# KiCad board ULK.kicad_pcb
title: ULK_pg1316s; date: 2025-09-11; rev: 1.0.0; company: GOGA_OO
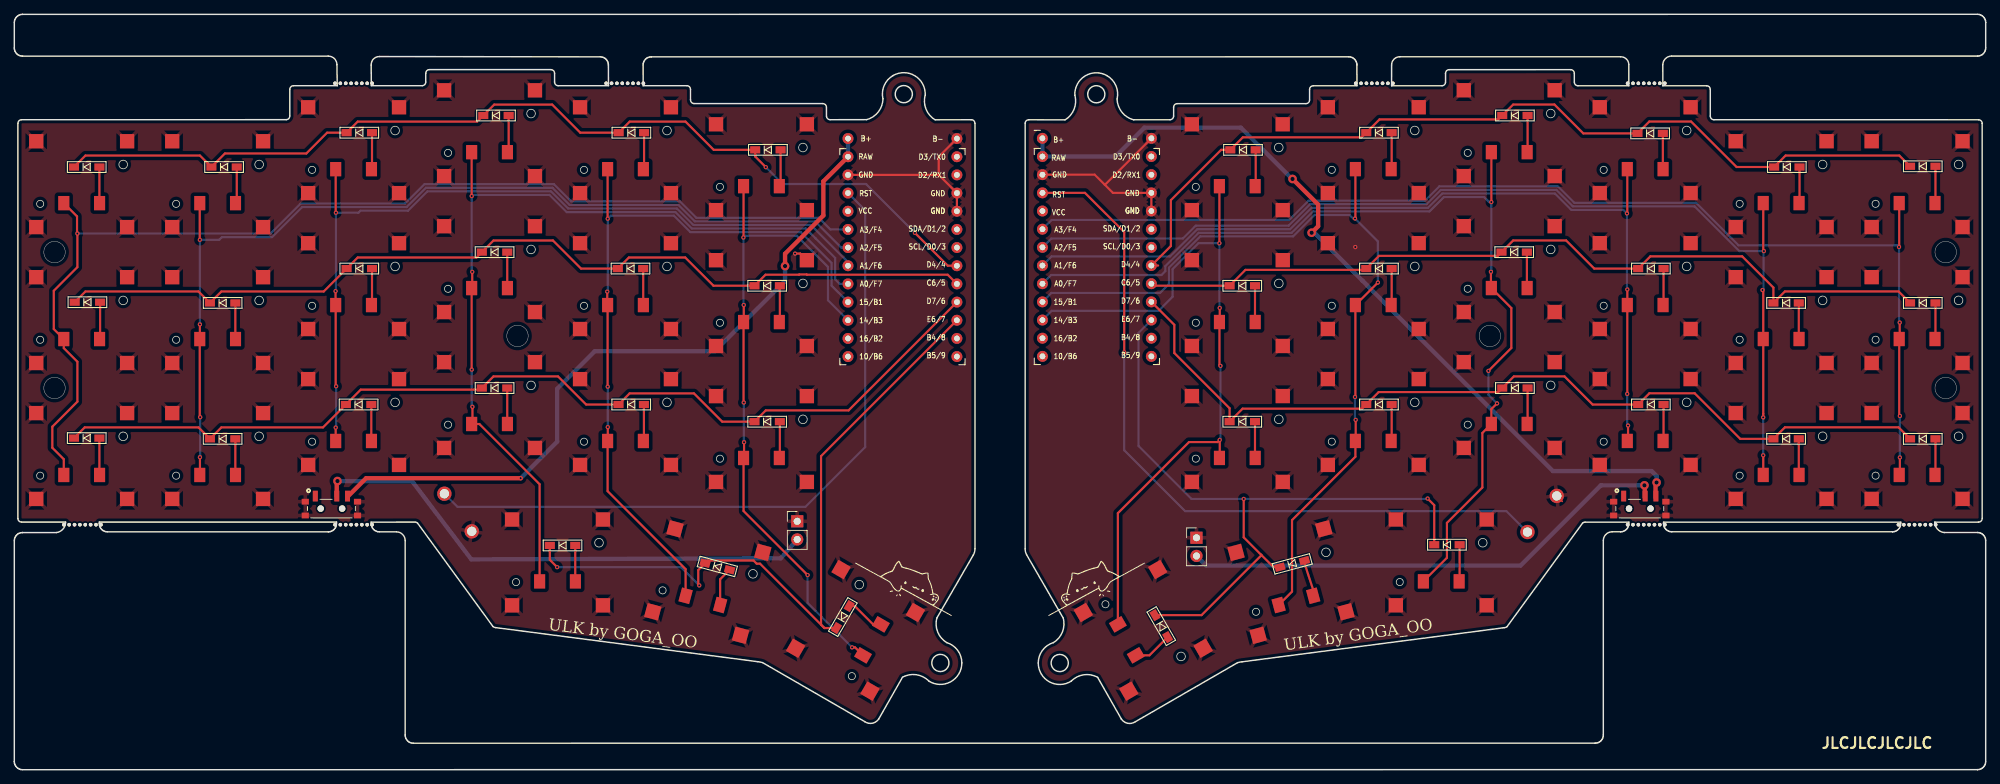
[diagram p0: board, top side]
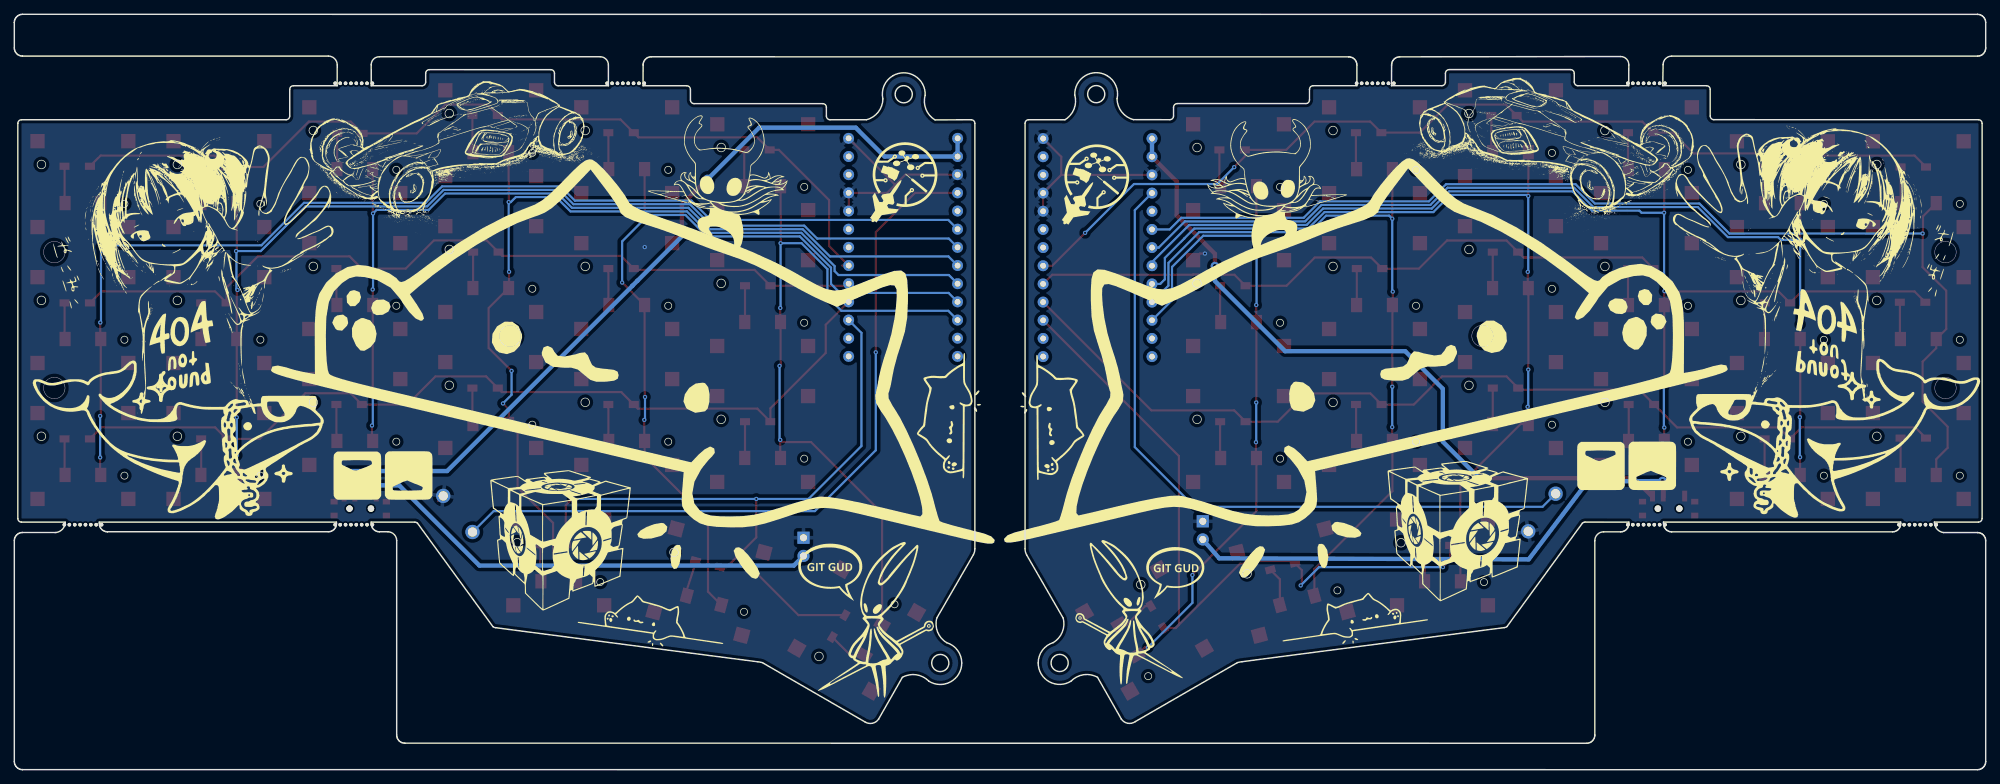
[diagram p1: board, bottom side, seen from below]

Outline 275.51 x 105.6 mm; copper layers: Top, Bottom. Coordinates in mm from the lower left corner of the outline.
Outline path: circle c5.62,72.35 r1.5 ; circle c5.62,53.35 r1.5 ; circle c70.32,60.63 r1.5 ; circle c124.31,94.44 r1.2 ; circle c129.42,14.92 r1.2 ; circle c146.1,14.91 r1.2 ; circle c151.21,94.42 r1.2 ; circle c206.22,60.63 r1.5 ; circle c269.92,72.35 r1.5 ; circle c269.92,53.35 r1.5 ; 1,34.62 arc(0.65,34.76) 0.5,35.12 0.5,90.36 arc(0.65,90.72) 1,90.86 38,90.87 arc(38.36,91.01) 38.5,91.37 38.5,95.12 ; 1,34.61 7.17,34.61 ; 7.17,34.6 arc(6.8,33.64) 5.89,33.15 1.13,33.15 0.91,33.13 0.7,33.06 0.5,32.95 0.33,32.81 0.19,32.64 0.09,32.45 0.02,32.23 0,32.01 0,1.13 0.02,0.91 0.09,0.7 0.19,0.5 0.34,0.33 0.51,0.19 0.7,0.09 0.92,0.02 1.14,0 274.37,0.01 274.38,0.01 274.6,0.03 274.81,0.1 275.01,0.2 275.18,0.34 275.32,0.52 275.42,0.71 275.49,0.93 275.51,1.15 275.51,32.03 275.48,32.25 275.42,32.46 275.31,32.66 275.17,32.83 275,32.97 274.8,33.07 274.59,33.14 274.37,33.16 269.7,33.16 arc(268.77,33.63) 268.39,34.6 ; 38.5,95.11 arc(38.65,95.47) 39,95.61 45.13,95.61 45.08,98.55 arc(44.73,99.4) 43.89,99.75 1.14,99.75 0.92,99.77 0.7,99.84 0.51,99.94 0.34,100.08 0.19,100.25 0.09,100.45 0.02,100.66 0,100.88 0,104.45 0.02,104.67 0.09,104.88 0.19,105.08 0.33,105.25 0.5,105.39 0.7,105.5 0.91,105.56 1.13,105.59 1.14,105.59 274.37,105.6 274.59,105.57 274.8,105.51 275,105.41 275.17,105.27 275.31,105.09 275.42,104.9 275.48,104.69 275.51,104.46 275.51,100.9 275.49,100.68 275.42,100.46 275.32,100.27 275.18,100.1 275.01,99.95 274.81,99.85 274.6,99.78 274.38,99.76 231.62,99.76 arc(230.74,99.39) 230.38,98.53 ; 51.02,99.69 arc(50.19,99.35) 49.88,98.51 49.89,95.62 57,95.62 arc(57.35,95.76) 57.5,96.12 57.5,97.36 ; 55.76,3.7 55.54,3.72 55.33,3.79 55.13,3.89 54.96,4.03 54.82,4.2 54.71,4.4 54.65,4.61 54.62,4.83 54.62,32.02 arc(54.26,32.89) 53.39,33.25 51.01,33.25 50.79,33.27 50.58,33.34 50.38,33.44 50.21,33.58 50.07,33.75 49.96,33.95 49.9,34.16 49.88,34.38 49.88,34.39 49.87,34.61 56,34.61 ; 55.77,3.7 220.93,3.71 220.94,3.71 221.16,3.73 221.37,3.8 221.57,3.9 221.74,4.05 221.88,4.22 221.98,4.41 222.05,4.63 222.07,4.85 222.07,32.02 arc(222.42,32.88) 223.31,33.26 224.5,33.26 224.72,33.28 224.94,33.35 225.13,33.45 225.3,33.59 225.44,33.77 225.55,33.96 225.61,34.18 225.63,34.4 225.64,34.61 219.52,34.61 ; 56.36,34.47 66.9,20.01 ; 57.5,97.37 arc(57.65,97.72) 58,97.87 75,97.87 arc(75.36,97.72) 75.5,97.37 75.5,96.12 arc(75.65,95.76) 76,95.62 ; 67.25,19.86 103.92,15.09 ; 76,95.61 83.04,95.61 83.03,98.51 83.03,98.52 83,98.74 82.94,98.95 82.83,99.15 82.69,99.32 82.52,99.46 82.32,99.56 82.11,99.63 81.89,99.65 51.01,99.69 ; 186.49,99.65 89.01,99.65 89.01,99.65 88.78,99.63 88.57,99.56 88.38,99.46 88.21,99.31 88.06,99.14 87.96,98.95 87.9,98.73 87.88,98.51 87.88,95.62 94,95.62 arc(94.35,95.47) 94.5,95.12 94.5,93.62 arc(94.65,93.26) 95,93.12 ; 104.58,14.96 118.87,6.7 ; 113,93.12 arc(113.35,92.97) 113.5,92.62 113.5,91.36 arc(113.65,91.01) 114,90.86 119.1,90.87 arc(120.74,91.94) 121.39,93.79 arc(121.57,95.65) 122.81,97.04 arc(125.87,97) 127.31,94.3 arc(127.41,92.34) 128.69,90.85 133.75,90.86 ; 113,93.12 95,93.12 ; 120.8,7.08 124.12,12.92 arc(126.05,13.28) 127.8,12.39 arc(130.86,12.29) 132.42,14.92 arc(131.84,16.69) 130.32,17.76 arc(129.04,19.25) 128.94,21.21 134.03,30.02 ; 133.75,90.87 arc(134.11,90.72) 134.25,90.37 134.25,30.89 ; 141.27,90.36 arc(141.41,90.71) 141.77,90.86 146.83,90.83 arc(148.11,92.33) 148.21,94.28 arc(149.65,96.98) 152.71,97.02 arc(153.95,95.63) 154.12,93.78 arc(154.78,91.93) 156.42,90.85 ; 141.27,90.36 141.27,30.88 ; 141.49,30.01 146.58,21.21 arc(146.48,19.25) 145.2,17.76 arc(143.68,16.68) 143.1,14.91 arc(144.66,12.28) 147.72,12.38 arc(149.47,13.27) 151.4,12.91 154.72,7.08 ; 156.42,90.85 161.52,90.86 arc(161.87,91) 162.02,91.36 162.02,92.61 ; 162.02,92.61 arc(162.16,92.96) 162.52,93.11 180.52,93.11 ; 170.94,14.96 156.65,6.7 ; 181.02,93.61 181.02,95.11 ; 181.52,95.61 187.64,95.61 187.63,98.52 187.63,98.53 187.61,98.75 187.54,98.96 187.44,99.16 187.3,99.33 187.12,99.47 186.93,99.57 186.72,99.64 186.49,99.66 ; 192.48,95.61 192.48,98.52 arc(192.82,99.32) 193.62,99.66 224.49,99.66 arc(225.29,99.35) 225.63,98.55 225.63,95.61 218.52,95.61 arc(218.16,95.75) 218.02,96.11 ; 192.48,95.61 199.52,95.61 arc(199.87,95.75) 200.02,96.11 200.02,97.36 arc(200.16,97.71) 200.52,97.86 217.52,97.86 arc(217.87,97.71) 218.02,97.36 218.02,96.1 ; 208.27,19.86 171.6,15.09 ; 219.16,34.46 208.62,20 ; 230.38,98.52 230.39,95.61 236.52,95.61 ; 236.52,95.61 arc(236.87,95.46) 237.02,95.11 237.02,91.36 ; 237.52,90.86 274.52,90.86 ; 237.52,90.85 arc(237.17,91) 237.02,91.35 ; 274.52,34.61 268.39,34.61 ; 275.02,90.36 275.02,35.11 ; 11.87,34.39 11.87,34.38 11.9,34.16 11.96,33.95 12.07,33.75 12.21,33.58 12.38,33.44 12.58,33.34 12.79,33.27 13.01,33.25 43.89,33.25 44.12,33.27 44.33,33.34 44.52,33.44 44.69,33.59 44.83,33.76 44.94,33.95 45,34.17 45.02,34.39 45.03,34.61 11.88,34.61 11.87,34.39 ; 230.48,34.4 230.48,34.39 230.51,34.17 230.57,33.96 230.68,33.76 230.82,33.59 230.99,33.45 231.19,33.34 231.4,33.28 231.62,33.26 262.5,33.26 262.72,33.28 262.94,33.35 263.13,33.45 263.3,33.59 263.44,33.77 263.55,33.96 263.61,34.18 263.63,34.4 263.64,34.61 230.49,34.61 230.48,34.4
Stack: Top 0.035mm / dielectric 1.51mm FR4 er 4.5 / Bottom 0.035mm

## Placement (name value [footprint] x y rotation side)
D1  D  [D3_SMD_v2]  10.11 84.25 0 top
D2  D  [D3_SMD_v2]  29.31 84.25 0 top
D3  D  [D3_SMD_v2]  48.21 89.05 0 top
D4  D  [D3_SMD_v2]  67.31 91.45 0 top
D5  D  [D3_SMD_v2]  86.23 89.05 0 top
D6  D  [D3_SMD_v2]  105.31 86.65 0 top
D7  D  [D3_SMD_v2]  10.21 65.35 0 top
D8  D  [D3_SMD_v2]  29.11 65.25 0 top
D9  D  [D3_SMD_v2]  48.21 70.05 0 top
D10  D  [D3_SMD_v2]  67.11 72.35 0 top
D11  D  [D3_SMD_v2]  86.11 70.05 0 top
D12  D  [D3_SMD_v2]  105.21 67.65 0 top
D13  D  [D3_SMD_v2]  10.11 46.35 0 top
D14  D  [D3_SMD_v2]  29.11 46.25 0 top
D15  D  [D3_SMD_v2]  48.11 51.05 0 top
D16  D  [D3_SMD_v2]  67.11 53.35 0 top
D17  D  [D3_SMD_v2]  86.21 51.05 0 top
D18  D  [D3_SMD_v2]  105.21 48.65 0 top
D19  D  [D3_SMD_v2]  76.61 31.35 0 top
D20  D  [D3_SMD_v2]  98.25 28.41 345 top
D21  D  [D3_SMD_v2]  115.78 21.34 60 top
D22  D  [D3_SMD_v2]  266.71 84.35 0 top
D23  D  [D3_SMD_v2]  247.71 84.25 0 top
D24  D  [D3_SMD_v2]  228.61 88.95 0 top
D25  D  [D3_SMD_v2]  209.71 91.45 0 top
D26  D  [D3_SMD_v2]  190.71 89.05 0 top
D27  D  [D3_SMD_v2]  171.71 86.65 0 top
D28  D  [D3_SMD_v2]  266.71 65.25 0 top
D29  D  [D3_SMD_v2]  247.61 65.25 0 top
D30  D  [D3_SMD_v2]  228.71 70.05 0 top
D31  D  [D3_SMD_v2]  209.61 72.35 0 top
D32  D  [D3_SMD_v2]  190.71 70.05 0 top
D33  D  [D3_SMD_v2]  171.61 67.65 0 top
D34  D  [D3_SMD_v2]  266.71 46.25 0 top
D35  D  [D3_SMD_v2]  247.61 46.25 0 top
D36  D  [D3_SMD_v2]  228.71 51.05 0 top
D37  D  [D3_SMD_v2]  209.71 53.35 0 top
D38  D  [D3_SMD_v2]  190.71 51.05 0 top
D39  D  [D3_SMD_v2]  171.61 48.65 0 top
D40  D  [D3_SMD_v2]  200.21 31.45 0 top
D41  D  [D3_SMD_v2]  178.58 28.77 15 top
D42  D  [D3_SMD_v2]  160.29 20.07 300 top
G***  LOGO  [15mm bongo1_1]  125.21 26.3 318 top
G***#2  LOGO  [15mm bongo1]  150.3 26.3 42 top
G***#3  LOGO  [404]  250.36 69.55 180 bottom
G***#4  LOGO  [404_1]  23.68 71.2 180 bottom
G***#5  LOGO  [b17_1]  130.21 48.7 283 bottom
G***#6  LOGO  [100b]  189.1 58.06 180 bottom
G***#7  LOGO  [cube31]  73.41 33.45 180 bottom
G***#8  LOGO  [cube31]  198.81 32.15 180 bottom
G***#9  LOGO  [logog]  150.82 82.01 180 bottom
G***#10  LOGO  [logog]  124.02 81.71 180 bottom
G***#11  LOGO  [20mm bongo1_1]  87.95 21.4 185 bottom
G***#12  LOGO  [b17]  145.11 48.95 77 bottom
G***#13  LOGO  [w41]  21.26 46.05 180 bottom
G***#14  LOGO  [20mm bongo1]  186.76 21.05 175 bottom
G***#15  LOGO  [tm54_1]  59.81 86.3 180 bottom
G***#16  LOGO  [block18]  223.96 41.1 180 bottom
G***#17  LOGO  [tm54]  212.78 85.84 180 bottom
G***#18  LOGO  [h33]  99.26 81.9 180 bottom
G***#19  LOGO  [23g]  119.05 22.57 180 bottom
G***#20  LOGO  [g23m]  156.36 20.9 180 bottom
G***#21  LOGO  [100b_1]  86.58 58.21 180 bottom
G***#22  LOGO  [h33_1]  177.47 82.42 180 bottom
G***#23  LOGO  [block18]  50.16 42.45 180 bottom
G***#24  LOGO  [w41_1]  253.11 45.8 180 bottom
mouse-bite-2mm-slot  VAL**  [mouse-bite-2mm-slot]  9.21 34.25 0 top
mouse-bite-2mm-slot#2  VAL**  [mouse-bite-2mm-slot]  265.61 34.25 0 top
mouse-bite-2mm-slot#3  VAL**  [mouse-bite-2mm-slot]  47.11 34.25 0 top
mouse-bite-2mm-slot#4  VAL**  [mouse-bite-2mm-slot]  227.76 34.25 0 top
mouse-bite-2mm-slot#5  VAL**  [mouse-bite-2mm-slot]  189.76 95.95 0 top
mouse-bite-2mm-slot#6  VAL**  [mouse-bite-2mm-slot]  227.76 95.95 0 top
mouse-bite-2mm-slot#7  VAL**  [mouse-bite-2mm-slot]  85.01 95.95 0 top
mouse-bite-2mm-slot#8  VAL**  [mouse-bite-2mm-slot]  47.11 95.95 0 top
RSW1  SW_PUS  [ResetSW_1side]  62.01 35.95 126 top
RSW2  SW_PUS  [ResetSW_1side]  213.51 35.75 231 top
SW1  SW_PUSH  [CPG1316S01D02_kailhspecsheet_mikefive]  9.41 81.85 0 top
SW2  SW_PUSH  [CPG1316S01D02_kailhspecsheet_mikefive]  28.41 81.85 0 top
SW3  SW_PUSH  [CPG1316S01D02_kailhspecsheet_mikefive]  47.41 86.6 0 top
SW4  SW_PUSH  [CPG1316S01D02_kailhspecsheet_mikefive]  66.41 88.97 0 top
SW5  SW_PUSH  [CPG1316S01D02_kailhspecsheet_mikefive]  85.41 86.6 0 top
SW6  SW_PUSH  [CPG1316S01D02_kailhspecsheet_mikefive]  104.41 84.22 0 top
SW7  SW_PUSH  [CPG1316S01D02_kailhspecsheet_mikefive]  9.41 62.85 0 top
SW8  SW_PUSH  [CPG1316S01D02_kailhspecsheet_mikefive]  28.41 62.85 0 top
SW9  SW_PUSH  [CPG1316S01D02_kailhspecsheet_mikefive]  47.41 67.6 0 top
SW10  SW_PUSH  [CPG1316S01D02_kailhspecsheet_mikefive]  66.41 69.97 0 top
SW11  SW_PUSH  [CPG1316S01D02_kailhspecsheet_mikefive]  85.41 67.6 0 top
SW12  SW_PUSH  [CPG1316S01D02_kailhspecsheet_mikefive]  104.41 65.22 0 top
SW13  SW_PUSH  [CPG1316S01D02_kailhspecsheet_mikefive]  9.41 43.85 0 top
SW14  SW_PUSH  [CPG1316S01D02_kailhspecsheet_mikefive]  28.41 43.85 0 top
SW15  SW_PUSH  [CPG1316S01D02_kailhspecsheet_mikefive]  47.41 48.6 0 top
SW16  SW_PUSH  [CPG1316S01D02_kailhspecsheet_mikefive]  66.41 50.97 0 top
SW17  SW_PUSH  [CPG1316S01D02_kailhspecsheet_mikefive]  85.41 48.6 0 top
SW18  SW_PUSH  [CPG1316S01D02_kailhspecsheet_mikefive]  104.41 46.22 0 top
SW19  SW_PUSH  [CPG1316S01D02_kailhspecsheet_mikefive]  75.91 28.97 0 top
SW20  SW_PUSH  [CPG1316S01D02_kailhspecsheet_mikefive]  96.91 26.22 345 top
SW21  SW_PUSH  [CPG1316S01D02_kailhspecsheet_mikefive]  117.56 19.47 60 top
SW22  SW_PUSH  [CPG1316S01D02_kailhspecsheet_mikefive]  265.92 81.85 0 top
SW23  SW_PUSH  [CPG1316S01D02_kailhspecsheet_mikefive]  246.92 81.85 0 top
SW24  SW_PUSH  [CPG1316S01D02_kailhspecsheet_mikefive]  227.92 86.6 0 top
SW25  SW_PUSH  [CPG1316S01D02_kailhspecsheet_mikefive]  208.92 88.98 0 top
SW26  SW_PUSH  [CPG1316S01D02_kailhspecsheet_mikefive]  189.92 86.6 0 top
SW27  SW_PUSH  [CPG1316S01D02_kailhspecsheet_mikefive]  170.91 84.22 0 top
SW28  SW_PUSH  [CPG1316S01D02_kailhspecsheet_mikefive]  265.92 62.85 0 top
SW29  SW_PUSH  [CPG1316S01D02_kailhspecsheet_mikefive]  246.92 62.85 0 top
SW30  SW_PUSH  [CPG1316S01D02_kailhspecsheet_mikefive]  227.92 67.6 0 top
SW31  SW_PUSH  [CPG1316S01D02_kailhspecsheet_mikefive]  208.92 69.98 0 top
SW32  SW_PUSH  [CPG1316S01D02_kailhspecsheet_mikefive]  189.92 67.6 0 top
SW33  SW_PUSH  [CPG1316S01D02_kailhspecsheet_mikefive]  170.92 65.23 0 top
SW34  SW_PUSH  [CPG1316S01D02_kailhspecsheet_mikefive]  265.92 43.85 0 top
SW35  SW_PUSH  [CPG1316S01D02_kailhspecsheet_mikefive]  246.92 43.85 0 top
SW36  SW_PUSH  [CPG1316S01D02_kailhspecsheet_mikefive]  227.92 48.6 0 top
SW37  SW_PUSH  [CPG1316S01D02_kailhspecsheet_mikefive]  208.92 50.98 0 top
SW38  SW_PUSH  [CPG1316S01D02_kailhspecsheet_mikefive]  189.92 48.6 0 top
SW39  SW_PUSH  [CPG1316S01D02_kailhspecsheet_mikefive]  170.92 46.23 0 top
SW40  SW_PUSH  [CPG1316S01D02_kailhspecsheet_mikefive]  199.42 28.98 0 top
SW41  SW_PUSH  [CPG1316S01D02_kailhspecsheet_mikefive]  178.42 26.23 15 top
SW42  SW_PUSH  [CPG1316S01D02_kailhspecsheet_mikefive]  157.77 19.48 300 top
SW43  PCM12SMTR  [SW_PCM12SMTR]  44.31 36.5 0 top
SW44  PCM12SMTR  [SW_PCM12SMTR]  227.16 36.5 0 top
U1  ProMicro  [ProMicro_v3]  124.12 71.21 0 top
U2  ProMicro  [ProMicro_v3]  151.29 71.24 0 top
U3  ~  [PinHeader_1x02_P2.54mm_Vertical]  109.41 34.72 0 top
U5  ~  [PinHeader_1x02_P2.54mm_Vertical]  165.21 32.42 0 top

## Library data of the parts
D1-D42 = -: ki_fp_filters: TO-???* *_Diode_* *SingleDiode* D_*
SW43 SW44 = -: MF: C&K; Description_1: Switch,Slide,Ultra-Mini,SPDT,ON-ON,300mA,6VDC,Surface Mount,R/A,Gull Wing | C&K PCM12SMTR; Package: None; Price: None; Check_prices: https://www.snapeda.com/parts/PCM12SMTR/C%2526K/view-part/?ref=eda; STANDARD: Manufacturer Recommendation; SnapEDA_Link: https://www.snapeda.com/parts/PCM12SMTR/C%2526K/view-part/?ref=snap; Availability: In Stock; MANUFACTURER: C&K

## Footprints (pads in the part's own frame, mm; a bottom-side part is the same pattern mirrored in y, then rotated)
CPG1316S01D02_kailhspecsheet_mikefive
  rect 1.55x2 smd: 1(-2.5,-2.65) 2(2.5,-2.65)
  rect 2x2 smd: 3(-6.35,6) 3(-6.35,-6) 3(6.35,6) 3(6.35,-6)
D3_SMD_v2
  rect 1.4x1 smd: 1(-1.775,0) 2(1.775,0)
mouse-bite-2mm-slot
  round 0.5 hole 0.5 unplated: (-2.3,0) (-1.55,0) (-0.8,0) (-0.05,0) (0.7,0) (1.45,0) (2.2,0) (2.9,0)
PinHeader_1x02_P2.54mm_Vertical
  rect 1.7x1.7 hole 1: 1(0,0)
  round 1.7 hole 1: 2(0,-2.54)
ProMicro_v3
  round 1.524 hole 0.813: 1(7.611,14.478) 2(7.611,11.938) 3(7.611,17.018) 3(7.611,9.398) 4(7.611,6.858) 5(7.611,4.318) 6(7.611,1.778) 7(7.611,-0.762) 8(7.611,-3.302) 9(7.611,-5.842) 10(7.611,-8.382) 11(7.611,-10.922) 12(7.611,-13.462) 13(-7.609,-13.462) 14(-7.609,-10.922) 15(-7.609,-8.382) 16(-7.609,-5.842) 17(-7.609,-3.302) 18(-7.609,-0.762) 19(-7.609,1.778) 20(-7.609,4.318) 21(-7.609,6.858) 22(-7.609,9.398) 23(-7.609,11.938) 24(-7.609,17.018) 24(-7.609,14.478)
ResetSW_1side
  round 2 hole 1.3: 1(3.25,0) 2(-3.25,0)
SW_PCM12SMTR
  round 0.9 hole 0.9 unplated: (-1.5,0) (1.5,0)
  rect 0.7x1.5 smd: 1(-2.25,1.75) 2(0.75,1.75) 3(2.25,1.75)
  rect 1x0.8 smd: S1(-3.65,0.965) S2(-3.65,-0.965) S3(3.65,-0.965) S4(3.65,0.965)

## Nets
1V5: SW44.3 U2.24
+1V5: SW43.3 U1.24
GND: RSW1.2 SW1.3 SW2.3 SW3.3 SW4.3 SW5.3 SW6.3 SW7.3 SW8.3 SW9.3 SW10.3 SW11.3 SW12.3 SW13.3 SW14.3 SW15.3 SW16.3 SW17.3 SW18.3 SW19.3 SW20.3 SW21.3 SW43.S1 SW43.S2 SW43.S3 SW43.S4 U1.3 U1.4 U1.23 U3.1
GNDA: RSW2.2 SW22.3 SW23.3 SW24.3 SW25.3 SW26.3 SW27.3 SW28.3 SW29.3 SW30.3 SW31.3 SW32.3 SW33.3 SW34.3 SW35.3 SW36.3 SW37.3 SW38.3 SW39.3 SW40.3 SW41.3 SW42.3 SW44.S1 SW44.S2 SW44.S3 SW44.S4 U2.3 U2.4 U2.23 U5.1
VCC: U1.21
VDD: U2.21
col0: SW1.1 SW7.1 SW13.1 U1.20
col0_r: SW22.1 SW28.1 SW34.1 U2.20
col1: SW2.1 SW8.1 SW14.1 U1.19
col1_r: SW23.1 SW29.1 SW35.1 U2.19
col2: SW3.1 SW9.1 SW15.1 U1.18
col2_r: SW24.1 SW30.1 SW36.1 U2.18
col3: SW4.1 SW10.1 SW16.1 SW19.1 U1.17
col3_r: SW25.1 SW31.1 SW37.1 SW40.1 U2.17
col4: SW5.1 SW11.1 SW17.1 SW20.1 U1.16
col4_r: SW26.1 SW32.1 SW38.1 SW41.1 U2.16
col5: SW6.1 SW12.1 SW18.1 SW21.1 U1.15
col5_r: SW27.1 SW33.1 SW39.1 SW42.1 U2.15
reset: RSW1.1 U1.22
reset_r: RSW2.1 U2.22
row0: D1.1 D2.1 D3.1 D4.1 D5.1 D6.1 U1.7
row0_r: D22.1 D23.1 D24.1 D25.1 D26.1 D27.1 U2.7
row1: D7.1 D8.1 D9.1 D10.1 D11.1 D12.1 U1.8
row1_r: D28.1 D29.1 D30.1 D31.1 D32.1 D33.1 U2.8
row2: D13.1 D14.1 D15.1 D16.1 D17.1 D18.1 U1.9
row2_r: D34.1 D35.1 D36.1 D37.1 D38.1 D39.1 U2.9
row3: D19.1 D20.1 D21.1 U1.10
row3_r: D40.1 D41.1 D42.1 U2.10
SCL: U1.6
SCL_r: U2.6
SDA: U1.5
SDA_r: U2.5
Net-(D1-A): D1.2 SW1.2
Net-(D2-A): D2.2 SW2.2
Net-(D3-A): D3.2 SW3.2
Net-(D4-A): D4.2 SW4.2
Net-(D5-A): D5.2 SW5.2
Net-(D6-A): D6.2 SW6.2
Net-(D7-A): D7.2 SW7.2
Net-(D8-A): D8.2 SW8.2
Net-(D9-A): D9.2 SW9.2
Net-(D10-A): D10.2 SW10.2
Net-(D11-A): D11.2 SW11.2
Net-(D12-A): D12.2 SW12.2
Net-(D13-A): D13.2 SW13.2
Net-(D14-A): D14.2 SW14.2
Net-(D15-A): D15.2 SW15.2
Net-(D16-A): D16.2 SW16.2
Net-(D17-A): D17.2 SW17.2
Net-(D18-A): D18.2 SW18.2
Net-(D19-A): D19.2 SW19.2
Net-(D20-A): D20.2 SW20.2
Net-(D21-A): D21.2 SW21.2
Net-(D22-A): D22.2 SW22.2
Net-(D23-A): D23.2 SW23.2
Net-(D24-A): D24.2 SW24.2
Net-(D25-A): D25.2 SW25.2
Net-(D26-A): D26.2 SW26.2
Net-(D27-A): D27.2 SW27.2
Net-(D28-A): D28.2 SW28.2
Net-(D29-A): D29.2 SW29.2
Net-(D30-A): D30.2 SW30.2
Net-(D31-A): D31.2 SW31.2
Net-(D32-A): D32.2 SW32.2
Net-(D33-A): D33.2 SW33.2
Net-(D34-A): D34.2 SW34.2
Net-(D35-A): D35.2 SW35.2
Net-(D36-A): D36.2 SW36.2
Net-(D37-A): D37.2 SW37.2
Net-(D38-A): D38.2 SW38.2
Net-(D39-A): D39.2 SW39.2
Net-(D40-A): D40.2 SW40.2
Net-(D41-A): D41.2 SW41.2
Net-(D42-A): D42.2 SW42.2
Net-(U3-+): SW43.2 U3.2
Net-(U5-+): SW44.2 U5.2

Pads without a net: SW43 1; SW44 1; U1 1 2 11 12 13 14; U2 1 2 11 12 13 14

## Via types
v1: diameter 0.6, hole 0.3, Top to Bottom, 57 vias
v2: diameter 1.2, hole 0.6, Top to Bottom, 6 vias

## Routing (per net, layer and track width the routed paths; a pad name or vN(x,y) marks a point on that pad's centre or on a via; arc(x,y) is an arc through that point)
1V5: length 116.9
  Top w0.6: 229.36,38.05 229.36,40 v2(229.51,40.15) ; v2(178.64,82.58) 182.21,79 182.21,75.97 v2(181.3,75.06)
  Bottom w0.3: 143.69,88.25 U2.24
  Bottom w0.6: 143.69,88.25 U2.24 153.88,85.72 157.91,89.75 171.41,89.75 178.59,82.58 v2(178.64,82.58) ; v2(181.3,75.06) 181.7,75.06 188.41,68.35 188.42,68.35 189.12,67.66 189.12,67.65 215.01,41.75 228.81,41.75 229.51,41.05 v2(229.51,40.15)
+1V5: length 101.5
  Top w0.6: v2(107.71,70.4) 107.71,72.12 113.06,77.47 113.06,82.24 U1.24 ; v1(70.76,40.75) 49.16,40.75 46.56,38.15
  Bottom w0.6: v2(107.71,70.4) 107.71,68.32 97.9,58.5 81.11,58.5 75.86,53.25 75.86,45.85 v1(70.76,40.75) ; U1.24 U1.24
GND: length 27
  Top w0.3: 129.19,83.15 129.19,85.69 U1.3 ; 129.19,83.15 U1.3 U1.4 ; 129.19,83.15 U1.23 ; v1(109.11,72.15) 109.84,72.15 SW12.3
GNDA: length 29.1
  Top w0.2: 152.41,81.76 152.41,81.75 ; RSW2.2 216.34,37.5
  Top w0.3: U2.3 152.41,81.76 ; U2.4 U2.3 153.53,80.64 150.99,83.18 U2.23
  vias: v1(187.4,73.06)
col0: length 156.8
  Top w0.3: SW1.1 8.76,77.35 8.76,75 v1(8.81,74.95) 8.81,70.25 5.51,66.95 5.51,61.6 SW7.1 6.91,58.93 8.81,57.03 8.81,51.45 5.31,47.95 5.31,45 6.91,43.4 SW13.1
  Bottom w0.3: U1.20 114.04,75.53 112.41,77.15 95.31,77.15 93.01,79.45 77.81,79.45 75.41,81.85 57.31,81.85 54.61,79.15 40.01,79.15 35.81,74.95 v1(8.81,74.95)
col0_r: length 163.9
  Top w0.3: v1(263.49,62.51) 263.49,60.28 SW28.1 263.42,49.54 v1(263.51,49.45) ; 263.42,41.2 263.51,41.3 v1(263.51,43.65) ; v1(263.39,73.07) 263.42,73.1 SW22.1
  Bottom w0.3: v1(263.51,49.45) v1(263.51,43.65) ; U2.20 144.98,76.85 178.18,76.85 180.88,79.55 197.16,79.55 199.16,81.55 215.71,81.55 218.01,79.25 235.02,79.25 240.97,73.3 263.16,73.3 v1(263.39,73.07) 263.39,62.61 v1(263.49,62.51)
col1: length 135.1
  Top w0.3: v1(25.94,43.69) 25.94,41.23 SW14.1 ; v1(25.97,49.28) 25.91,49.34 SW8.1 25.93,60.22 v1(25.93,62.25) ; v1(25.93,74.07) 25.91,74.09 SW2.1
  Bottom w0.3: U1.19 115.57,72.99 111.91,76.65 95.11,76.65 92.81,78.95 77.61,78.95 75.21,81.35 57.52,81.35 54.82,78.65 40.22,78.65 36.02,74.45 29.01,74.45 28.63,74.07 v1(25.93,74.07) v1(25.93,62.25) ; v1(25.97,49.28) 25.97,43.72 v1(25.94,43.69)
col1_r: length 145.9
  Top w0.3: v1(244.31,67.05) 244.42,66.94 SW29.1 244.42,49.76 244.41,49.75 v1(244.41,49.25) ; v1(244.51,72.5) 244.42,72.59 SW23.1 ; v1(244.41,43.95) 244.42,43.94 244.42,41.2
  Bottom w0.3: v1(244.41,43.95) v1(244.41,49.25) ; U2.19 144.92,74.25 163.31,74.25 165.11,76.05 178.09,76.05 181.09,79.05 197.37,79.05 199.37,81.05 215.51,81.05 217.81,78.75 234.82,78.75 241.06,72.5 v1(244.51,72.5) 244.46,72.45 244.46,67.2 v1(244.31,67.05)
col2: length 115.5
  Top w0.3: v1(44.94,77.86) 44.91,77.89 SW3.1 ; v1(44.91,47.83) SW15.1 ; v1(44.97,53.6) 44.91,53.66 SW9.1 44.89,64.97 v1(44.89,66.9)
  Bottom w0.3: v1(44.89,66.9) 44.94,66.95 v1(44.94,77.86) 48.1,77.86 48.39,78.15 55.03,78.15 57.73,80.85 75,80.85 77.4,78.45 92.6,78.45 94.9,76.15 111.32,76.15 116.51,70.95 U1.18 ; v1(44.91,47.83) 44.97,47.89 v1(44.97,53.6)
col2_r: length 125.2
  Top w0.3: v1(225.37,77.76) 225.42,77.81 SW24.1 ; v1(225.42,67.13) 225.42,64.96 SW30.1 225.42,52.55 v1(225.4,52.53) ; v1(225.52,48.11) 225.52,46.06 SW36.1
  Bottom w0.3: v1(225.4,52.53) 225.4,48.23 v1(225.52,48.11) ; U2.18 144.96,71.75 161.51,71.75 165.32,75.55 178.3,75.55 181.3,78.55 197.58,78.55 199.58,80.55 215.3,80.55 217.6,78.25 224.89,78.25 v1(225.37,77.76) 225.37,67.18 v1(225.42,67.13)
col3: length 124.3
  Top w0.3: v1(63.92,80.19) 63.91,80.2 SW4.1 ; v1(63.99,69.59) 63.99,67.41 SW10.1 63.91,55.94 v1(63.92,55.93) ; v1(64.02,50.73) 64.02,48.44 SW16.1 64.99,48.32 73.41,39.9 SW19.1
  Bottom w0.3: U1.17 115.36,67.91 114.71,68.55 114.71,71.54 112.01,74.24 112.01,74.24 110.61,75.65 94.69,75.65 92.39,77.95 77.19,77.95 74.79,80.35 64.08,80.35 v1(63.92,80.19) 63.92,69.66 v1(63.99,69.59) ; v1(63.92,55.93) 63.92,50.83 v1(64.02,50.73)
col3_r: length 135.7
  Top w0.3: SW40.1 200.21,29.62 200.21,34.5 205.16,39.45 205.16,47.07 SW37.1 206.42,50.41 v1(207.21,51.2) ; SW25.1 206.42,79.36 v1(206.41,79.35) ; v1(206.01,55.75) 209.21,58.95 209.21,64.54 SW31.1 206.36,67.39 v1(206.36,69.6)
  Bottom w0.3: v1(206.01,55.75) 206.01,52.4 v1(207.21,51.2) ; v1(206.36,69.6) 206.41,69.65 v1(206.41,79.35) 206.11,79.35 205.42,80.05 199.78,80.05 197.78,78.05 181.5,78.05 178.51,75.05 165.52,75.05 160.87,70.39 160.87,69.7 160.31,69.15 144.9,69.15 U2.17
col4: length 104.9
  Top w0.3: v1(82.93,53.54) 82.91,53.56 SW11.1 82.86,65 v1(82.86,66.83) ; v1(82.94,47.89) 82.94,45.98 SW17.1 82.91,38.94 93.81,28.04 SW20.1 ; SW5.1 82.91,77.04 v1(82.93,77.02)
  Bottom w0.3: v1(82.94,47.89) 82.93,47.9 v1(82.93,53.54) ; U1.16 114.21,67.67 114.21,70.85 109.92,75.15 94.48,75.15 92.18,77.45 83.36,77.45 v1(82.93,77.02) 82.93,66.9 v1(82.86,66.83)
col4_r: length 118.4
  Top w0.3: SW26.1 187.42,77.11 v1(187.36,77.05) ; v1(190.56,68.1) 190.56,68.1 SW32.1 187.42,52.16 v1(187.36,52.1) ; SW41.1 178.56,24.9 178.56,34.9 187.42,43.75 SW38.1 187.46,46 v1(187.46,48.9)
  Bottom w0.3: v1(187.36,52.1) 187.36,49 v1(187.46,48.9) ; v1(190.56,68.1) 190.56,73.85 v1(187.36,77.05) 187.11,77.05 186.62,77.55 181.71,77.55 178.71,74.55 165.73,74.55 161.37,70.19 161.37,67.9 160.11,66.65 144.94,66.65 U2.16
col5: length 95.2
  Top w0.3: v1(110.86,27.21) 101.91,36.16 SW18.1 101.98,43.64 v1(101.98,45.78) ; v1(117.08,17.1) 117.49,17.1 SW21.1 ; v1(101.89,74.4) 101.91,74.42 SW6.1 ; v1(101.94,64.96) 101.94,62.6 SW12.1 101.91,51.36 v1(101.94,51.33)
  Bottom w0.3: v1(110.86,27.21) 110.86,23.32 v1(117.08,17.1) ; U1.15 113.71,65.62 113.71,67.46 113.71,67.46 113.71,70.28 109.35,74.65 102.14,74.65 v1(101.89,74.4) 101.89,65.01 v1(101.94,64.96) ; v1(101.98,45.78) 101.94,45.82 v1(101.94,51.33)
col5_r: length 103.6
  Top w0.3: SW27.1 v1(168.41,73.6) ; v1(168.56,56.45) 168.42,56.59 SW33.1 168.46,62.62 v1(168.46,64.55) ; SW39.1 168.46,43.62 v1(168.46,46.1) 168.16,45.8 164.16,45.8 154.23,35.86 SW42.1
  Bottom w0.3: v1(168.46,46.1) 168.56,46.2 v1(168.56,56.45) ; v1(168.46,64.55) 168.41,64.6 v1(168.41,73.6) 165.49,73.6 161.87,69.98 161.87,66.11 159.91,64.15 144.98,64.15 U2.15
reset: length 99.5
  Bottom w0.3: RSW1.1 61.93,36.75 110.56,36.75 118.91,45.1 118.91,78.2 U1.22
reset_r: length 105.3
  Top w0.3: U2.22 149.63,80.64 155.11,75.15 v1(155.11,58.35)
  Bottom w0.3: v1(155.11,58.35) 155.11,44.65 163.61,36.15 208.51,36.15 211.44,33.22 RSW2.1
row0: length 139.5
  Top w0.3: D1.1 9.94,85.85 25.94,85.85 D2.1 29.43,86.14 40.8,86.14 43.71,89.05 D3.1 47.99,90.6 64.69,90.6 D4.1 67.07,92.98 75.17,92.98 79.09,89.05 D5.1 86.01,90.6 93.79,90.6 97.74,86.65 D6.1 103.54,85.72 v1(105.02,84.23) ; v1(125.86,75.04) 130.46,70.45 U1.7
  Bottom w0.3: v1(105.02,84.23) 107.38,81.87 119.03,81.87 v1(125.86,75.04)
row0_r: length 126.3
  Top w0.3: 159.84,70.48 U2.7 161.63,73.21 161.63,79.62 168.66,86.65 D27.1 171.69,88.4 188.29,88.4 D26.1 190.79,90.9 207.39,90.9 D25.1 209.47,92.98 215.24,92.98 219.27,88.95 D24.1 228.5,90.61 234.34,90.61 240.69,84.25 D23.1 247.55,85.86 263.43,85.86 D22.1
row1: length 133.3
  Top w0.3: D7.1 9.94,66.85 25.74,66.85 D8.1 28.94,66.85 43.24,66.85 D9.1 47.99,71.6 64.59,71.6 D10.1 66.97,73.98 75.28,73.98 79.2,70.05 D11.1 85.89,71.6 93.76,71.6 97.71,67.65 D12.1 104.98,69.19 109.66,69.19 109.7,69.23 110.73,69.23 110.77,69.19 130.45,69.19 U1.8
row1_r: length 116.4
  Top w0.3: D28.1 263.33,66.86 247.45,66.86 D29.1 245.84,67.39 241.47,71.76 228.65,71.76 D30.1 220.8,70.05 216.87,73.98 209.47,73.98 D31.1 207.32,71.83 190.72,71.83 D32.1 188.76,69.87 172.06,69.87 D33.1 159.19,67.65 U2.8
row2: length 139.1
  Top w0.3: U1.9 116.59,50.23 105.02,50.23 D18.1 98.94,48.65 94.99,52.6 85.99,52.6 D17.1 79.91,51.05 75.99,54.98 66.97,54.98 D16.1 65.12,53.13 48.42,53.13 D15.1 43.14,47.85 28.94,47.85 D14.1 25.74,47.85 9.84,47.85 D13.1
row2_r: length 125.2
  Top w0.3: U2.9 162.11,62.19 162.11,58.25 169.84,50.52 D39.1 171.66,50.47 188.36,50.47 D38.1 190.68,52.79 207.38,52.79 D37.1 209.57,54.98 216.64,54.98 220.57,51.05 D36.1 228.51,52.62 234.83,52.62 241.2,46.25 D35.1 247.45,47.86 263.33,47.86 D34.1
row3: length 101.4
  Top w0.3: 113.21,19.8 104.21,28.8 103.75,28.8 103.31,29.24 96.91,29.24 D20.1 95.58,27.91 95.58,25.9 v1(95.72,25.76) ; 113.21,19.8 D21.1 ; 113.21,19.8 112.74,20.27 112.74,43.84 U1.10 ; v1(75.85,28.32) 74.84,29.33 D19.1
  Bottom w0.3: v1(75.85,28.32) 93.16,28.32 v1(95.72,25.76)
row3_r: length 99.3
  Top w0.3: 174.23,30.06 174.3,29.99 165.92,21.61 D42.1 ; 174.23,30.06 175.98,28.31 D41.1 ; 174.23,30.06 171.81,32.48 v1(171.81,37.85) ; D40.1 198.44,36.97 v1(197.51,37.9)
  Bottom w0.3: U2.10 157.11,61.07 157.11,45.25 164.51,37.85 v1(171.81,37.85) 197.46,37.85 v1(197.51,37.9)
Net-(D1-A): length 5.1
  Top w0.3: SW1.2 11.89,79.22 D1.2
Net-(D2-A): length 5.1
  Top w0.3: D2.2 31.09,79.38 SW2.2
Net-(D3-A): length 5.1
  Top w0.3: D3.2 49.99,84.03 SW3.2
Net-(D4-A): length 5.2
  Top w0.3: D4.2 69.09,86.5 SW4.2
Net-(D5-A): length 5.1
  Top w0.3: SW5.2 88.01,84.04 D5.2
Net-(D6-A): length 5.1
  Top w0.3: D6.2 107.09,81.75 SW6.2
Net-(D7-A): length 5.2
  Top w0.3: SW7.2 11.99,60.27 D7.2
Net-(D8-A): length 5.1
  Top w0.3: SW8.2 30.89,60.22 D8.2
Net-(D9-A): length 5.1
  Top w0.3: SW9.2 49.99,65.03 D9.2
Net-(D10-A): length 5
  Top w0.3: D10.2 68.89,67.35 SW10.2
Net-(D11-A): length 5.1
  Top w0.3: SW11.2 87.89,64.97 D11.2
Net-(D12-A): length 5.1
  Top w0.3: SW12.2 106.99,62.65 D12.2
Net-(D13-A): length 5.2
  Top w0.3: SW13.2 11.89,41.22 D13.2
Net-(D14-A): length 5.1
  Top w0.3: D14.2 30.89,41.22 SW14.2
Net-(D15-A): length 5.1
  Top w0.3: D15.2 49.89,45.97 SW15.2
Net-(D16-A): length 5
  Top w0.3: SW16.2 68.89,48.35 D16.2
Net-(D17-A): length 5.1
  Top w0.3: SW17.2 87.99,46.02 D17.2
Net-(D18-A): length 5.1
  Top w0.3: SW18.2 106.99,43.65 D18.2
Net-(D19-A): length 5
  Top w0.3: SW19.2 78.39,26.35 D19.2
Net-(D20-A): length 5.5
  Top w0.3: D20.2 98.64,26.63 SW20.2
Net-(D21-A): length 5.5
  Top w0.3: SW21.2 120.02,20.32 117.46,22.88 116.67,22.88
Net-(D22-A): length 5.2
  Top w0.3: SW22.2 268.49,79.27 D22.2
Net-(D23-A): length 5.1
  Top w0.3: SW23.2 249.49,79.27 D23.2
Net-(D24-A): length 5
  Top w0.3: D24.2 230.39,83.99 SW24.2
Net-(D25-A): length 5.1
  Top w0.3: D25.2 211.49,86.4 SW25.2
Net-(D26-A): length 5.1
  Top w0.3: SW26.2 192.49,84.02 D26.2
Net-(D27-A): length 5.1
  Top w0.3: SW27.2 173.49,81.65 D27.2
Net-(D28-A): length 5.1
  Top w0.3: SW28.2 268.49,60.27 D28.2
Net-(D29-A): length 5.1
  Top w0.3: D29.2 249.39,60.24 SW29.2
Net-(D30-A): length 5.1
  Top w0.3: SW30.2 230.49,65.02 D30.2
Net-(D31-A): length 5
  Top w0.3: D31.2 211.39,67.36 SW31.2
Net-(D32-A): length 5.1
  Top w0.3: SW32.2 192.49,65.02 D32.2
Net-(D33-A): length 5.1
  Top w0.3: D33.2 173.39,62.61 SW33.2
Net-(D34-A): length 5.1
  Top w0.3: D34.2 268.49,41.27 268.42,41.2
Net-(D35-A): length 5.1
  Top w0.3: D35.2 249.39,41.24 249.42,41.2
Net-(D36-A): length 5.1
  Top w0.3: D36.2 230.49,46.02 SW36.2
Net-(D37-A): length 5
  Top w0.3: SW37.2 211.49,48.4 D37.2
Net-(D38-A): length 5.1
  Top w0.3: SW38.2 192.49,46.02 D38.2
Net-(D39-A): length 5.1
  Top w0.3: D39.2 173.39,43.61 SW39.2
Net-(D40-A): length 5.1
  Top w0.3: D40.2 201.99,26.4 SW40.2
Net-(D41-A): length 5.8
  Top w0.3: SW41.2 181.68,24.32 181.85,24.14 180.81,27.32 180.22,29.18 180.27,29.23 D41.2
Net-(D42-A): length 5.5
  Top w0.3: D42.2 158.64,15.99 SW42.2
Net-(U3-+): length 73.1
  Top w0.6: 45.06,38.15 45.06,40.25 v2(45.16,40.35)
  Bottom w0.6: v2(45.16,40.35) 55.61,40.3 63.86,29.4 107.11,29.55 109.41,32.19
Net-(U5-+): length 69.5
  Top w0.2: 227.86,39.7 v2(227.81,39.75)
  Top w0.6: 227.86,38.05 227.86,39.7
  Bottom w0.6: v2(227.81,39.75) 221.71,39.75 210.5,28.54 166.56,28.54 U5.2

## Copper pours and planes (outline as drawn; the poured copper is in the pictures)
GND on Top, Bottom: -4.58,98.2 138.07,98.39 135.54,91.42 135.25,8.22 117.7,5.12 63.55,17.91 54.66,33.65 40.33,33.9 -1.8,34 -1.87,33.97
GNDA on Top, Bottom: 140.28,97.38 151.73,98.59 186.5,98.52 284.9,97.81 277.37,33.9 258.08,34.11 221.52,33.87 207.9,14.29 154.79,5.23 138.57,6.66 138.82,94.07

## Text on the board
F.Silkscreen: JLCJLCJLCJLC | ULK by GOGA_OO
